# KiCad board d20_tri_r0.3_4x1.kicad_pcb (continued)
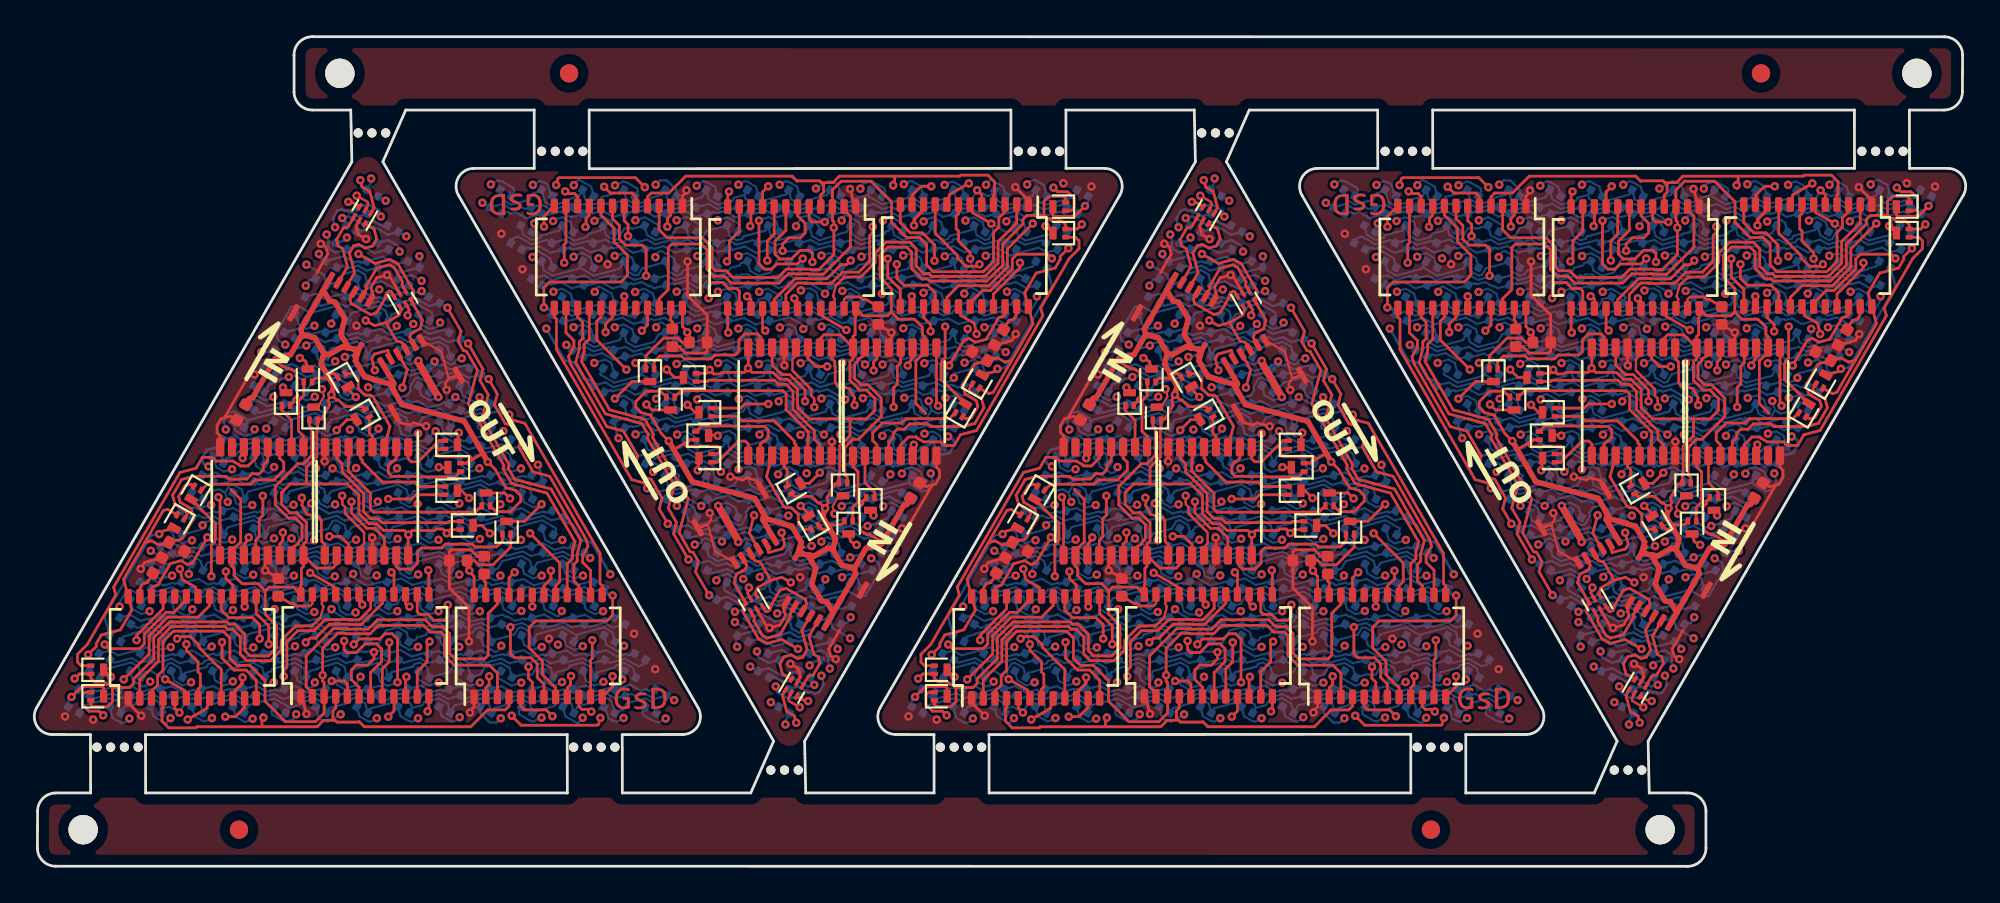
[diagram p0: board, top side]
## Placement (name value [footprint] x y rotation side) (continued)
D116#3  LED_ARGB  [led_rbag_1515]  90.54 30.41 240 bottom
D116#4  LED_ARGB  [led_rbag_1515]  60.79 14.85 60 bottom
D117  LED_ARGB  [led_rbag_1515]  45.66 28.46 240 bottom
D117#2  LED_ARGB  [led_rbag_1515]  13.67 16.79 60 bottom
D117#3  LED_ARGB  [led_rbag_1515]  91.66 28.46 240 bottom
D117#4  LED_ARGB  [led_rbag_1515]  59.67 16.79 60 bottom
D118  LED_ARGB  [led_rbag_1515]  46.79 26.52 240 bottom
D118#2  LED_ARGB  [led_rbag_1515]  12.55 18.74 60 bottom
D118#3  LED_ARGB  [led_rbag_1515]  92.79 26.52 240 bottom
D118#4  LED_ARGB  [led_rbag_1515]  58.55 18.74 60 bottom
D119  LED_ARGB  [led_rbag_1515]  47.91 24.57 240 bottom
D119#2  LED_ARGB  [led_rbag_1515]  11.42 20.69 60 bottom
D119#3  LED_ARGB  [led_rbag_1515]  93.91 24.57 240 bottom
D119#4  LED_ARGB  [led_rbag_1515]  57.42 20.69 60 bottom
D120  LED_ARGB  [led_rbag_1515]  49.03 22.62 240 bottom
D120#2  LED_ARGB  [led_rbag_1515]  10.3 22.63 60 bottom
D120#3  LED_ARGB  [led_rbag_1515]  95.03 22.62 240 bottom
D120#4  LED_ARGB  [led_rbag_1515]  56.3 22.63 60 bottom
D129  LED_ARGB  [led_rbag_1515]  43.41 36.24 240 bottom
D129#2  LED_ARGB  [led_rbag_1515]  15.92 9.01 60 bottom
D129#3  LED_ARGB  [led_rbag_1515]  61.92 9.01 60 bottom
D129#4  LED_ARGB  [led_rbag_1515]  89.41 36.24 240 bottom
D130  LED_ARGB  [led_rbag_1515]  44.54 34.3 240 bottom
D130#2  LED_ARGB  [led_rbag_1515]  14.79 10.96 60 bottom
D130#3  LED_ARGB  [led_rbag_1515]  60.79 10.96 60 bottom
D130#4  LED_ARGB  [led_rbag_1515]  90.54 34.3 240 bottom
D131  LED_ARGB  [led_rbag_1515]  45.66 32.35 240 bottom
D131#2  LED_ARGB  [led_rbag_1515]  13.67 12.9 60 bottom
D131#3  LED_ARGB  [led_rbag_1515]  59.67 12.9 60 bottom
D131#4  LED_ARGB  [led_rbag_1515]  91.66 32.35 240 bottom
D132  LED_ARGB  [led_rbag_1515]  46.78 30.41 240 bottom
D132#2  LED_ARGB  [led_rbag_1515]  12.55 14.85 60 bottom
D132#3  LED_ARGB  [led_rbag_1515]  58.55 14.85 60 bottom
D132#4  LED_ARGB  [led_rbag_1515]  92.78 30.41 240 bottom
D133  LED_ARGB  [led_rbag_1515]  47.91 28.46 240 bottom
D133#2  LED_ARGB  [led_rbag_1515]  11.42 16.79 60 bottom
D133#3  LED_ARGB  [led_rbag_1515]  57.42 16.79 60 bottom
D133#4  LED_ARGB  [led_rbag_1515]  93.91 28.46 240 bottom
D134  LED_ARGB  [led_rbag_1515]  49.03 26.51 240 bottom
D134#2  LED_ARGB  [led_rbag_1515]  10.3 18.74 60 bottom
D134#3  LED_ARGB  [led_rbag_1515]  56.3 18.74 60 bottom
D134#4  LED_ARGB  [led_rbag_1515]  95.03 26.51 240 bottom
D135  LED_ARGB  [led_rbag_1515]  50.16 24.57 240 bottom
D135#2  LED_ARGB  [led_rbag_1515]  9.18 20.69 60 bottom
D135#3  LED_ARGB  [led_rbag_1515]  96.16 24.57 240 bottom
D135#4  LED_ARGB  [led_rbag_1515]  55.18 20.69 60 bottom
D145  LED_ARGB  [led_rbag_1515]  45.66 36.24 240 bottom
D145#2  LED_ARGB  [led_rbag_1515]  13.67 9.01 60 bottom
D145#3  LED_ARGB  [led_rbag_1515]  91.66 36.24 240 bottom
D145#4  LED_ARGB  [led_rbag_1515]  59.67 9.01 60 bottom
D146  LED_ARGB  [led_rbag_1515]  46.78 34.3 240 bottom
D146#2  LED_ARGB  [led_rbag_1515]  12.55 10.96 60 bottom
D146#3  LED_ARGB  [led_rbag_1515]  92.78 34.3 240 bottom
D146#4  LED_ARGB  [led_rbag_1515]  58.55 10.96 60 bottom
D147  LED_ARGB  [led_rbag_1515]  47.91 32.35 240 bottom
D147#2  LED_ARGB  [led_rbag_1515]  11.42 12.9 60 bottom
D147#3  LED_ARGB  [led_rbag_1515]  93.91 32.35 240 bottom
D147#4  LED_ARGB  [led_rbag_1515]  57.42 12.9 60 bottom
D148  LED_ARGB  [led_rbag_1515]  49.03 30.41 240 bottom
D148#2  LED_ARGB  [led_rbag_1515]  10.3 14.85 60 bottom
D148#3  LED_ARGB  [led_rbag_1515]  95.03 30.41 240 bottom
D148#4  LED_ARGB  [led_rbag_1515]  56.3 14.85 60 bottom
D149  LED_ARGB  [led_rbag_1515]  50.15 28.46 240 bottom
D149#2  LED_ARGB  [led_rbag_1515]  9.18 16.8 60 bottom
D149#3  LED_ARGB  [led_rbag_1515]  96.15 28.46 240 bottom
D149#4  LED_ARGB  [led_rbag_1515]  55.18 16.8 60 bottom
D150  LED_ARGB  [led_rbag_1515]  51.28 26.51 240 bottom
D150#2  LED_ARGB  [led_rbag_1515]  8.05 18.74 60 bottom
D150#3  LED_ARGB  [led_rbag_1515]  97.28 26.51 240 bottom
D150#4  LED_ARGB  [led_rbag_1515]  54.05 18.74 60 bottom
D161  LED_ARGB  [led_rbag_1515]  47.91 36.24 240 bottom
D161#2  LED_ARGB  [led_rbag_1515]  11.42 9.01 60 bottom
D161#3  LED_ARGB  [led_rbag_1515]  57.42 9.01 60 bottom
D161#4  LED_ARGB  [led_rbag_1515]  93.91 36.24 240 bottom
D162  LED_ARGB  [led_rbag_1515]  49.03 34.3 240 bottom
D162#2  LED_ARGB  [led_rbag_1515]  10.3 10.96 60 bottom
D162#3  LED_ARGB  [led_rbag_1515]  56.3 10.96 60 bottom
D162#4  LED_ARGB  [led_rbag_1515]  95.03 34.3 240 bottom
D163  LED_ARGB  [led_rbag_1515]  50.15 32.35 240 bottom
D163#2  LED_ARGB  [led_rbag_1515]  9.18 12.9 60 bottom
D163#3  LED_ARGB  [led_rbag_1515]  96.15 32.35 240 bottom
D163#4  LED_ARGB  [led_rbag_1515]  55.18 12.9 60 bottom
D164  LED_ARGB  [led_rbag_1515]  51.28 30.4 240 bottom
D164#2  LED_ARGB  [led_rbag_1515]  8.05 14.85 60 bottom
D164#3  LED_ARGB  [led_rbag_1515]  54.05 14.85 60 bottom
D164#4  LED_ARGB  [led_rbag_1515]  97.28 30.4 240 bottom
D165  LED_ARGB  [led_rbag_1515]  52.4 28.46 240 bottom
D165#2  LED_ARGB  [led_rbag_1515]  6.93 16.8 60 bottom
D165#3  LED_ARGB  [led_rbag_1515]  52.93 16.8 60 bottom
D165#4  LED_ARGB  [led_rbag_1515]  98.4 28.46 240 bottom
D177  LED_ARGB  [led_rbag_1515]  50.15 36.24 240 bottom
D177#2  LED_ARGB  [led_rbag_1515]  9.18 9.01 60 bottom
D177#3  LED_ARGB  [led_rbag_1515]  96.15 36.24 240 bottom
D177#4  LED_ARGB  [led_rbag_1515]  55.18 9.01 60 bottom
D178  LED_ARGB  [led_rbag_1515]  51.28 34.3 240 bottom
D178#2  LED_ARGB  [led_rbag_1515]  8.05 10.96 60 bottom
D178#3  LED_ARGB  [led_rbag_1515]  97.28 34.3 240 bottom
D178#4  LED_ARGB  [led_rbag_1515]  54.05 10.96 60 bottom
D179  LED_ARGB  [led_rbag_1515]  52.4 32.35 240 bottom
D179#2  LED_ARGB  [led_rbag_1515]  6.93 12.91 60 bottom
D179#3  LED_ARGB  [led_rbag_1515]  98.4 32.35 240 bottom
D179#4  LED_ARGB  [led_rbag_1515]  52.93 12.91 60 bottom
D180  LED_ARGB  [led_rbag_1515]  53.52 30.4 240 bottom
D180#2  LED_ARGB  [led_rbag_1515]  5.81 14.85 60 bottom
D180#3  LED_ARGB  [led_rbag_1515]  51.81 14.85 60 bottom
D180#4  LED_ARGB  [led_rbag_1515]  99.52 30.4 240 bottom
D193  LED_ARGB  [led_rbag_1515]  52.4 36.24 240 bottom
D193#2  LED_ARGB  [led_rbag_1515]  6.93 9.01 60 bottom
D193#3  LED_ARGB  [led_rbag_1515]  52.93 9.01 60 bottom
D193#4  LED_ARGB  [led_rbag_1515]  98.4 36.24 240 bottom
D194  LED_ARGB  [led_rbag_1515]  53.52 34.3 240 bottom
D194#2  LED_ARGB  [led_rbag_1515]  5.81 10.96 60 bottom
D194#3  LED_ARGB  [led_rbag_1515]  51.81 10.96 60 bottom
D194#4  LED_ARGB  [led_rbag_1515]  99.52 34.3 240 bottom
D195  LED_ARGB  [led_rbag_1515]  54.65 32.35 240 bottom
D195#2  LED_ARGB  [led_rbag_1515]  4.68 12.91 60 bottom
D195#3  LED_ARGB  [led_rbag_1515]  50.68 12.91 60 bottom
D195#4  LED_ARGB  [led_rbag_1515]  100.65 32.35 240 bottom
D209  LED_ARGB  [led_rbag_1515]  54.65 36.24 240 bottom
D209#2  LED_ARGB  [led_rbag_1515]  4.68 9.01 60 bottom
D209#3  LED_ARGB  [led_rbag_1515]  50.68 9.01 60 bottom
D209#4  LED_ARGB  [led_rbag_1515]  100.65 36.24 240 bottom
D210  LED_ARGB  [led_rbag_1515]  55.77 34.29 240 bottom
D210#2  LED_ARGB  [led_rbag_1515]  3.56 10.96 60 bottom
D210#3  LED_ARGB  [led_rbag_1515]  49.56 10.96 60 bottom
D210#4  LED_ARGB  [led_rbag_1515]  101.77 34.29 240 bottom
D225  LED_ARGB  [led_rbag_1515]  56.89 36.24 240 bottom
D225#2  LED_ARGB  [led_rbag_1515]  2.44 9.02 60 bottom
D225#3  LED_ARGB  [led_rbag_1515]  48.44 9.02 60 bottom
D225#4  LED_ARGB  [led_rbag_1515]  102.89 36.24 240 bottom
G***  LOGO  [gsd_logo_small]  26.27 36.18 180 top
G***#2  LOGO  [in_out]  39.96 19.4 0 top
G***#3  LOGO  [in_out]  19.38 25.85 180 top
G***#4  LOGO  [gsd_logo_small]  33.07 9.07 0 top
G***#5  LOGO  [in_out]  65.38 25.85 180 top
G***#6  LOGO  [in_out]  85.96 19.4 0 top
G***#7  LOGO  [gsd_logo_small]  72.27 36.18 180 top
G***#8  LOGO  [gsd_logo_small]  79.07 9.07 0 top
J1  input  [5034800600]  42.11 13.79 150 top
J1#2  input  [5034800600]  17.22 31.46 330 top
J1#3  input  [5034800600]  63.22 31.46 330 top
J1#4  input  [5034800600]  88.11 13.79 150 top
J2  output  [5034800600]  39.28 17.19 210 top
J2#2  output  [5034800600]  20.06 28.06 30 top
J2#3  output  [5034800600]  66.06 28.06 30 top
J2#4  output  [5034800600]  85.28 17.19 210 top
NOREF  -  [MountingHole_2.1mm#2]  16.66 43.25 0 top
NOREF#2  -  [MountingHole_2.1mm#2]  102.66 43.25 0 top
NOREF#3  -  [MountingHole_2.1mm#2]  2.66 2 180 top
NOREF#4  -  [MountingHole_2.1mm#2]  88.66 2 180 top
Q1  LP0404N3T5G  [SOT-883]  33.58 26.79 270 top
Q1#2  LP0404N3T5G  [SOT-883]  25.76 18.46 90 top
Q1#3  LP0404N3T5G  [SOT-883]  71.76 18.46 90 top
Q1#4  LP0404N3T5G  [SOT-883]  79.58 26.79 270 top
Q2  LP0404N3T5G  [SOT-883]  36.6 22.27 180 top
Q2#2  LP0404N3T5G  [SOT-883]  22.73 22.99 0 top
Q2#3  LP0404N3T5G  [SOT-883]  68.73 22.99 0 top
Q2#4  LP0404N3T5G  [SOT-883]  82.6 22.27 180 top
Q3  LP0404N3T5G  [SOT-883]  36.43 23.49 0 top
Q3#2  LP0404N3T5G  [SOT-883]  22.91 21.76 180 top
Q3#3  LP0404N3T5G  [SOT-883]  68.91 21.76 180 top
Q3#4  LP0404N3T5G  [SOT-883]  82.43 23.49 0 top
Q4  LP0404N3T5G  [SOT-883]  42.4 18.79 120 top
Q4#2  LP0404N3T5G  [SOT-883]  16.93 26.46 300 top
Q4#3  LP0404N3T5G  [SOT-883]  62.93 26.46 300 top
Q4#4  LP0404N3T5G  [SOT-883]  88.4 18.79 120 top
Q5  LP0404N3T5G  [SOT-883]  41.48 20.72 30 top
Q5#2  LP0404N3T5G  [SOT-883]  17.86 24.54 210 top
Q5#3  LP0404N3T5G  [SOT-883]  63.86 24.54 210 top
Q5#4  LP0404N3T5G  [SOT-883]  87.48 20.72 30 top
Q6  LP0404N3T5G  [SOT-883]  36.6 24.77 180 top
Q6#2  LP0404N3T5G  [SOT-883]  22.73 20.49 0 top
Q6#3  LP0404N3T5G  [SOT-883]  68.73 20.49 0 top
Q6#4  LP0404N3T5G  [SOT-883]  82.6 24.77 180 top
Q7  LP0404N3T5G  [SOT-883]  34.7 25.24 270 top
Q7#2  LP0404N3T5G  [SOT-883]  24.63 20.01 90 top
Q7#3  LP0404N3T5G  [SOT-883]  70.63 20.01 90 top
Q7#4  LP0404N3T5G  [SOT-883]  80.7 25.24 270 top
Q8  LP0404N3T5G  [SOT-883]  35.75 26.67 180 top
Q8#2  LP0404N3T5G  [SOT-883]  23.58 18.59 0 top
Q8#3  LP0404N3T5G  [SOT-883]  69.58 18.59 0 top
Q8#4  LP0404N3T5G  [SOT-883]  81.75 26.67 180 top
Q9  LP0404N3T5G  [SOT-883]  44.11 20.56 270 top
Q9#2  LP0404N3T5G  [SOT-883]  15.23 24.69 90 top
Q9#3  LP0404N3T5G  [SOT-883]  90.11 20.56 270 top
Q9#4  LP0404N3T5G  [SOT-883]  61.23 24.69 90 top
Q10  LP0404N3T5G  [SOT-883]  44.41 18.48 270 top
Q10#2  LP0404N3T5G  [SOT-883]  14.92 26.77 90 top
Q10#3  LP0404N3T5G  [SOT-883]  90.41 18.48 270 top
Q10#4  LP0404N3T5G  [SOT-883]  60.92 26.77 90 top
Q11  LP0404N3T5G  [SOT-883]  45.6 19.77 270 top
Q11#2  LP0404N3T5G  [SOT-883]  13.73 25.49 90 top
Q11#3  LP0404N3T5G  [SOT-883]  91.6 19.77 270 top
Q11#4  LP0404N3T5G  [SOT-883]  59.73 25.49 90 top
Q12  LP0404N3T5G  [SOT-883]  50.6 24.93 60 top
Q12#2  LP0404N3T5G  [SOT-883]  8.73 20.32 240 top
Q12#3  LP0404N3T5G  [SOT-883]  96.6 24.93 60 top
Q12#4  LP0404N3T5G  [SOT-883]  54.73 20.32 240 top
Q13  LP0404N3T5G  [SOT-883]  51.52 26.5 60 top
Q13#2  LP0404N3T5G  [SOT-883]  7.81 18.76 240 top
Q13#3  LP0404N3T5G  [SOT-883]  53.81 18.76 240 top
Q13#4  LP0404N3T5G  [SOT-883]  97.52 26.5 60 top
Q14  LP0404N3T5G  [SOT-883]  55.9 34.54 180 top
Q14#2  LP0404N3T5G  [SOT-883]  3.43 10.72 0 top
Q14#3  LP0404N3T5G  [SOT-883]  101.9 34.54 180 top
Q14#4  LP0404N3T5G  [SOT-883]  49.43 10.72 0 top
Q15  LP0404N3T5G  [SOT-883]  55.9 35.98 180 top
Q15#2  LP0404N3T5G  [SOT-883]  3.43 9.27 0 top
Q15#3  LP0404N3T5G  [SOT-883]  101.9 35.98 180 top
Q15#4  LP0404N3T5G  [SOT-883]  49.43 9.27 0 top
R1  2.2k  [R_0402_1005Metric]  34.79 28.83 270 top
R1#2  2.2k  [R_0402_1005Metric]  24.54 16.43 90 top
R1#3  2.2k  [R_0402_1005Metric]  70.54 16.43 90 top
R1#4  2.2k  [R_0402_1005Metric]  80.79 28.83 270 top
R2  7.5k  [R_0402_1005Metric]  46.03 30.04 270 top
R2#2  7.5k  [R_0402_1005Metric]  13.31 15.21 90 top
R2#3  7.5k  [R_0402_1005Metric]  59.31 15.21 90 top
R2#4  7.5k  [R_0402_1005Metric]  92.03 30.04 270 top
R3  4.12k  [R_0402_1005Metric]  52.61 28.84 240 top
R3#2  4.12k  [R_0402_1005Metric]  6.72 16.41 60 top
R3#3  4.12k  [R_0402_1005Metric]  52.72 16.41 60 top
R3#4  4.12k  [R_0402_1005Metric]  98.61 28.84 240 top
REF**  -  [Fiducial_1mm_Mask2mm]  11.16 2 180 top
REF**#2  -  [Fiducial_1mm_Mask2mm]  76.16 2 180 top
REF**#3  -  [MountingHole_2.1mm]  101.91 39 0 top
REF**#4  -  [MountingHole_2.1mm]  101.16 39 0 top
REF**#5  -  [MountingHole_2.1mm]  100.41 39 0 top
REF**#6  -  [MountingHole_2.1mm]  99.66 39 0 top
REF**#7  -  [MountingHole_2.1mm]  75.91 39 0 top
REF**#8  -  [MountingHole_2.1mm]  75.16 39 0 top
REF**#9  -  [MountingHole_2.1mm]  74.41 39 0 top
REF**#10  -  [MountingHole_2.1mm]  73.66 39 0 top
REF**#11  -  [MountingHole_2.1mm]  65.16 40 0 top
REF**#12  -  [MountingHole_2.1mm]  64.41 40 0 top
REF**#13  -  [MountingHole_2.1mm]  63.66 40 0 top
REF**#14  -  [MountingHole_2.1mm]  86.16 5.25 180 top
REF**#15  -  [MountingHole_2.1mm]  86.91 5.25 180 top
REF**#16  -  [MountingHole_2.1mm]  87.66 5.25 180 top
REF**#17  -  [MountingHole_2.1mm]  40.16 5.25 180 top
REF**#18  -  [MountingHole_2.1mm]  40.91 5.25 180 top
REF**#19  -  [MountingHole_2.1mm]  41.66 5.25 180 top
REF**#20  -  [Fiducial_1mm_Mask2mm]  29.16 43.25 0 top
REF**#21  -  [Fiducial_1mm_Mask2mm]  94.16 43.25 0 top
REF**#22  -  [MountingHole_2.1mm]  17.66 40 0 top
REF**#23  -  [MountingHole_2.1mm]  18.41 40 0 top
REF**#24  -  [MountingHole_2.1mm]  19.16 40 0 top
REF**#25  -  [MountingHole_2.1mm]  27.66 39 0 top
REF**#26  -  [MountingHole_2.1mm]  28.41 39 0 top
REF**#27  -  [MountingHole_2.1mm]  29.16 39 0 top
REF**#28  -  [MountingHole_2.1mm]  29.91 39 0 top
REF**#29  -  [MountingHole_2.1mm]  53.66 39 0 top
REF**#30  -  [MountingHole_2.1mm]  54.41 39 0 top
REF**#31  -  [MountingHole_2.1mm]  55.16 39 0 top
REF**#32  -  [MountingHole_2.1mm]  55.91 39 0 top
REF**#33  -  [MountingHole_2.1mm]  30.91 6.5 0 top
REF**#34  -  [MountingHole_2.1mm]  3.41 6.5 0 top
REF**#35  -  [MountingHole_2.1mm]  29.41 6.5 0 top
REF**#36  -  [MountingHole_2.1mm]  31.66 6.5 0 top
REF**#37  -  [MountingHole_2.1mm]  30.16 6.5 0 top
REF**#38  -  [MountingHole_2.1mm]  4.16 6.5 0 top
REF**#39  -  [MountingHole_2.1mm]  4.91 6.5 0 top
REF**#40  -  [MountingHole_2.1mm]  5.66 6.5 0 top
REF**#41  -  [MountingHole_2.1mm]  49.41 6.5 0 top
REF**#42  -  [MountingHole_2.1mm]  76.16 6.5 0 top
REF**#43  -  [MountingHole_2.1mm]  77.66 6.5 0 top
REF**#44  -  [MountingHole_2.1mm]  76.91 6.5 0 top
REF**#45  -  [MountingHole_2.1mm]  51.66 6.5 0 top
REF**#46  -  [MountingHole_2.1mm]  50.91 6.5 0 top
REF**#47  -  [MountingHole_2.1mm]  75.41 6.5 0 top
REF**#48  -  [MountingHole_2.1mm]  50.16 6.5 0 top
REF**#49  -  [Fiducial_1mm_Mask2mm]  29.16 43.25 0 bottom
REF**#50  -  [Fiducial_1mm_Mask2mm]  94.16 43.25 0 bottom
REF**#51  -  [Fiducial_1mm_Mask2mm]  76.16 2 180 bottom
REF**#52  -  [Fiducial_1mm_Mask2mm]  11.16 2 180 bottom
U1  TLC59025  [SSOP-24_slim]  31.85 33.24 270 top
U1#2  TLC59025  [SSOP-24_slim]  27.48 12.02 90 top
U1#3  TLC59025  [SSOP-24_slim]  73.48 12.02 90 top
U1#4  TLC59025  [SSOP-24_slim]  77.85 33.24 270 top
U2  TLC59025  [SSOP-24_slim]  41.3 33.21 270 top
U2#2  TLC59025  [SSOP-24_slim]  18.03 12.05 90 top
U2#3  TLC59025  [SSOP-24_slim]  64.03 12.05 90 top
U2#4  TLC59025  [SSOP-24_slim]  87.3 33.21 270 top
U3  TLC59025  [SSOP-24_slim]  50.72 33.31 270 top
U3#2  TLC59025  [SSOP-24_slim]  8.61 11.94 90 top
U3#3  TLC59025  [SSOP-24_slim]  96.72 33.31 270 top
U3#4  TLC59025  [SSOP-24_slim]  54.61 11.94 90 top
U4  74HC595  [TSSOP-16_slim]  41.21 25.35 90 top
U4#2  74HC595  [TSSOP-16_slim]  18.12 19.91 270 top
U4#3  74HC595  [TSSOP-16_slim]  87.21 25.35 90 top
U4#4  74HC595  [TSSOP-16_slim]  64.12 19.91 270 top
U5  74HC595  [TSSOP-16_slim]  46.93 25.34 90 top
U5#2  74HC595  [TSSOP-16_slim]  12.41 19.91 270 top
U5#3  74HC595  [TSSOP-16_slim]  58.41 19.91 270 top
U5#4  74HC595  [TSSOP-16_slim]  92.93 25.34 90 top
U6  NC7WZ17  [UDFN-6_1x1mm_P0.35mm]  41.44 9.74 240 top
U6#2  NC7WZ17  [UDFN-6_1x1mm_P0.35mm]  17.89 35.51 60 top
U6#3  NC7WZ17  [UDFN-6_1x1mm_P0.35mm]  63.89 35.51 60 top
U6#4  NC7WZ17  [UDFN-6_1x1mm_P0.35mm]  87.44 9.74 240 top
U7  NC7WZ17  [UDFN-6_1x1mm_P0.35mm]  39.24 14.3 120 top
U7#2  NC7WZ17  [UDFN-6_1x1mm_P0.35mm]  20.09 30.96 300 top
U7#3  NC7WZ17  [UDFN-6_1x1mm_P0.35mm]  85.24 14.3 120 top
U7#4  NC7WZ17  [UDFN-6_1x1mm_P0.35mm]  66.09 30.96 300 top

## Footprints (pads in the part's own frame, mm; a bottom-side part is the same pattern mirrored in y, then rotated)
5034800600
  rrect 0.3x0.7 smd: 1(-1.25,0) 2(-0.75,0) 3(-0.25,0) 4(0.25,0) 5(0.75,0) 6(1.25,0)
  rrect 0.3x1 smd: SH(-2.04,-2.65) SH(2.04,-2.65)
C_0402_1005Metric
  rrect 0.59x0.64 smd: 1(-0.485,0) 2(0.485,0)
Fiducial_1mm_Mask2mm
  round 1 smd: (0,0)
led_rbag_1515
  rrect 0.443x0.406 smd: 1(-0.551,-0.349) 2(-0.551,0.349) 3(0.551,-0.349) 4(0.551,0.349)
MountingHole_2.1mm
  round 0.5 hole 0.5 unplated: (0,0)
MountingHole_2.1mm#2
  round 1.6 hole 1.6 unplated: (0,0)
R_0402_1005Metric
  rrect 0.59x0.64 smd: 1(-0.485,0) 2(0.485,0)
SOT-883
  rrect 0.4x0.25 smd: 1(-0.35,0.225) 2(-0.35,-0.225)
  rrect 0.4x0.7 smd: 3(0.35,0)
SSOP-24_slim
  rrect 0.8x0.4 smd: 1(-2.78,3.493) 2(-2.78,2.857) 3(-2.78,2.223) 4(-2.78,1.587) 5(-2.78,0.953) 6(-2.78,0.318) 7(-2.78,-0.318) 8(-2.78,-0.953) 9(-2.78,-1.587) 10(-2.78,-2.223) 11(-2.78,-2.857) 12(-2.78,-3.493) 13(2.78,-3.493) 14(2.78,-2.857) 15(2.78,-2.223) 16(2.78,-1.587) 17(2.78,-0.953) 18(2.78,-0.318) 19(2.78,0.318) 20(2.78,0.953) 21(2.78,1.587) 22(2.78,2.223) 23(2.78,2.857) 24(2.78,3.493)
TSSOP-16_slim
  rrect 1x0.45 smd: 1(-2.95,2.275) 2(-2.95,1.625) 3(-2.95,0.975) 4(-2.95,0.325) 5(-2.95,-0.325) 6(-2.95,-0.975) 7(-2.95,-1.625) 8(-2.95,-2.275) 9(2.95,-2.275) 10(2.95,-1.625) 11(2.95,-0.975) 12(2.95,-0.325) 13(2.95,0.325) 14(2.95,0.975) 15(2.95,1.625) 16(2.95,2.275)
UDFN-6_1x1mm_P0.35mm
  rect 0.45x0.19 smd: 1(-0.305,0.35)
  rect 0.4x0.19 smd: 2(-0.33,0) 3(-0.33,-0.35) 4(0.33,-0.35) 5(0.33,0) 6(0.33,0.35)

## Nets
gnd: C1.2 C1#2.2 C1#3.2 C1#4.2 C2.2 C2#2.2 C2#3.2 C2#4.2 C3.2 C3#2.2 C3#3.2 C3#4.2 J1.6 J1#2.6 J1#3.6 J1#4.6 J2.6 J2.SH J2#2.6 J2#2.SH J2#3.6 J2#3.SH J2#4.6 J2#4.SH R1.2 R1#2.2 R1#3.2 R1#4.2 R2.2 R2#2.2 R2#3.2 R2#4.2 R3.2 R3#2.2 R3#3.2 R3#4.2 U1.1 U1#2.1 U1#3.1 U1#4.1 U2.1 U2#2.1 U2#3.1 U2#4.1 U3.1 U3#2.1 U3#3.1 U3#4.1 U4.8 U4.13 U4#2.8 U4#2.13 U4#3.8 U4#3.13 U4#4.8 U4#4.13 U5.8 U5.13 U5#2.8 U5#2.13 U5#3.8 U5#3.13 U5#4.8 U5#4.13 U6.2 U6#2.2 U6#3.2 U6#4.2 U7.2 U7#2.2 U7#3.2 U7#4.2
gnd|vcc: J1.SH J1#2.SH J1#3.SH J1#4.SH
vcc: C1.1 C1#2.1 C1#3.1 C1#4.1 C2.1 C2#2.1 C2#3.1 C2#4.1 C3.1 C3#2.1 C3#3.1 C3#4.1 J1.1 J1#2.1 J1#3.1 J1#4.1 J2.1 J2#2.1 J2#3.1 J2#4.1 Q1.2 Q1#2.2 Q1#3.2 Q1#4.2 Q2.2 Q2#2.2 Q2#3.2 Q2#4.2 Q3.2 Q3#2.2 Q3#3.2 Q3#4.2 Q4.2 Q4#2.2 Q4#3.2 Q4#4.2 Q5.2 Q5#2.2 Q5#3.2 Q5#4.2 Q6.2 Q6#2.2 Q6#3.2 Q6#4.2 Q7.2 Q7#2.2 Q7#3.2 Q7#4.2 Q8.2 Q8#2.2 Q8#3.2 Q8#4.2 Q9.2 Q9#2.2 Q9#3.2 Q9#4.2 Q10.2 Q10#2.2 Q10#3.2 Q10#4.2 Q11.2 Q11#2.2 Q11#3.2 Q11#4.2 Q12.2 Q12#2.2 Q12#3.2 Q12#4.2 Q13.2 Q13#2.2 Q13#3.2 Q13#4.2 Q14.2 Q14#2.2 Q14#3.2 Q14#4.2 Q15.2 Q15#2.2 Q15#3.2 Q15#4.2 U1.24 U1#2.24 U1#3.24 U1#4.24 U2.24 U2#2.24 U2#3.24 U2#4.24 U3.24 U3#2.24 U3#3.24 U3#4.24 U4.10 U4.16 U4#2.10 U4#2.16 U4#3.10 U4#3.16 U4#4.10 U4#4.16 U5.10 U5.16 U5#2.10 U5#2.16 U5#3.10 U5#3.16 U5#4.10 U5#4.16 U6.5 U6#2.5 U6#3.5 U6#4.5 U7.5 U7#2.5 U7#3.5 U7#4.5
blank: J2.3 J2#2.3 J2#3.3 J2#4.3 U1.21 U1#2.21 U1#3.21 U1#4.21 U2.21 U2#2.21 U2#3.21 U2#4.21 U3.21 U3#2.21 U3#3.21 U3#4.21 U6.4 U6#2.4 U6#3.4 U6#4.4
blank_i: J1.3 J1#2.3 J1#3.3 J1#4.3 U6.3 U6#2.3 U6#3.3 U6#4.3
colb_0: D1.2 D1#2.2 D1#3.2 D1#4.2 D17.2 D17#2.2 D17#3.2 D17#4.2 D33.2 D33#2.2 D33#3.2 D33#4.2 D49.2 D49#2.2 D49#3.2 D49#4.2 D65.2 D65#2.2 D65#3.2 D65#4.2 D81.2 D81#2.2 D81#3.2 D81#4.2 D97.2 D97#2.2 D97#3.2 D97#4.2 D113.2 D113#2.2 D113#3.2 D113#4.2 D129.2 D129#2.2 D129#3.2 D129#4.2 D145.2 D145#2.2 D145#3.2 D145#4.2 D161.2 D161#2.2 D161#3.2 D161#4.2 D177.2 D177#2.2 D177#3.2 D177#4.2 D193.2 D193#2.2 D193#3.2 D193#4.2 D209.2 D209#2.2 D209#3.2 D209#4.2 D225.2 D225#2.2 D225#3.2 D225#4.2 U3.5 U3#2.5 U3#3.5 U3#4.5
colb_1: D2.2 D2#2.2 D2#3.2 D2#4.2 D18.2 D18#2.2 D18#3.2 D18#4.2 D34.2 D34#2.2 D34#3.2 D34#4.2 D50.2 D50#2.2 D50#3.2 D50#4.2 D66.2 D66#2.2 D66#3.2 D66#4.2 D82.2 D82#2.2 D82#3.2 D82#4.2 D98.2 D98#2.2 D98#3.2 D98#4.2 D114.2 D114#2.2 D114#3.2 D114#4.2 D130.2 D130#2.2 D130#3.2 D130#4.2 D146.2 D146#2.2 D146#3.2 D146#4.2 D162.2 D162#2.2 D162#3.2 D162#4.2 D178.2 D178#2.2 D178#3.2 D178#4.2 D194.2 D194#2.2 D194#3.2 D194#4.2 D210.2 D210#2.2 D210#3.2 D210#4.2 U3.6 U3#2.6 U3#3.6 U3#4.6
colb_2: D3.2 D3#2.2 D3#3.2 D3#4.2 D19.2 D19#2.2 D19#3.2 D19#4.2 D35.2 D35#2.2 D35#3.2 D35#4.2 D51.2 D51#2.2 D51#3.2 D51#4.2 D67.2 D67#2.2 D67#3.2 D67#4.2 D83.2 D83#2.2 D83#3.2 D83#4.2 D99.2 D99#2.2 D99#3.2 D99#4.2 D115.2 D115#2.2 D115#3.2 D115#4.2 D131.2 D131#2.2 D131#3.2 D131#4.2 D147.2 D147#2.2 D147#3.2 D147#4.2 D163.2 D163#2.2 D163#3.2 D163#4.2 D179.2 D179#2.2 D179#3.2 D179#4.2 D195.2 D195#2.2 D195#3.2 D195#4.2 U3.7 U3#2.7 U3#3.7 U3#4.7
colb_3: D4.2 D4#2.2 D4#3.2 D4#4.2 D20.2 D20#2.2 D20#3.2 D20#4.2 D36.2 D36#2.2 D36#3.2 D36#4.2 D52.2 D52#2.2 D52#3.2 D52#4.2 D68.2 D68#2.2 D68#3.2 D68#4.2 D84.2 D84#2.2 D84#3.2 D84#4.2 D100.2 D100#2.2 D100#3.2 D100#4.2 D116.2 D116#2.2 D116#3.2 D116#4.2 D132.2 D132#2.2 D132#3.2 D132#4.2 D148.2 D148#2.2 D148#3.2 D148#4.2 D164.2 D164#2.2 D164#3.2 D164#4.2 D180.2 D180#2.2 D180#3.2 D180#4.2 U3.8 U3#2.8 U3#3.8 U3#4.8
colb_4: D5.2 D5#2.2 D5#3.2 D5#4.2 D21.2 D21#2.2 D21#3.2 D21#4.2 D37.2 D37#2.2 D37#3.2 D37#4.2 D53.2 D53#2.2 D53#3.2 D53#4.2 D69.2 D69#2.2 D69#3.2 D69#4.2 D85.2 D85#2.2 D85#3.2 D85#4.2 D101.2 D101#2.2 D101#3.2 D101#4.2 D117.2 D117#2.2 D117#3.2 D117#4.2 D133.2 D133#2.2 D133#3.2 D133#4.2 D149.2 D149#2.2 D149#3.2 D149#4.2 D165.2 D165#2.2 D165#3.2 D165#4.2 U3.9 U3#2.9 U3#3.9 U3#4.9
colb_5: D6.2 D6#2.2 D6#3.2 D6#4.2 D22.2 D22#2.2 D22#3.2 D22#4.2 D38.2 D38#2.2 D38#3.2 D38#4.2 D54.2 D54#2.2 D54#3.2 D54#4.2 D70.2 D70#2.2 D70#3.2 D70#4.2 D86.2 D86#2.2 D86#3.2 D86#4.2 D102.2 D102#2.2 D102#3.2 D102#4.2 D118.2 D118#2.2 D118#3.2 D118#4.2 D134.2 D134#2.2 D134#3.2 D134#4.2 D150.2 D150#2.2 D150#3.2 D150#4.2 U3.10 U3#2.10 U3#3.10 U3#4.10
colb_6: D7.2 D7#2.2 D7#3.2 D7#4.2 D23.2 D23#2.2 D23#3.2 D23#4.2 D39.2 D39#2.2 D39#3.2 D39#4.2 D55.2 D55#2.2 D55#3.2 D55#4.2 D71.2 D71#2.2 D71#3.2 D71#4.2 D87.2 D87#2.2 D87#3.2 D87#4.2 D103.2 D103#2.2 D103#3.2 D103#4.2 D119.2 D119#2.2 D119#3.2 D119#4.2 D135.2 D135#2.2 D135#3.2 D135#4.2 U3.11 U3#2.11 U3#3.11 U3#4.11
colb_7: D8.2 D8#2.2 D8#3.2 D8#4.2 D24.2 D24#2.2 D24#3.2 D24#4.2 D40.2 D40#2.2 D40#3.2 D40#4.2 D56.2 D56#2.2 D56#3.2 D56#4.2 D72.2 D72#2.2 D72#3.2 D72#4.2 D88.2 D88#2.2 D88#3.2 D88#4.2 D104.2 D104#2.2 D104#3.2 D104#4.2 D120.2 D120#2.2 D120#3.2 D120#4.2 U3.12 U3#2.12 U3#3.12 U3#4.12
colb_8: D9.2 D9#2.2 D9#3.2 D9#4.2 D25.2 D25#2.2 D25#3.2 D25#4.2 D41.2 D41#2.2 D41#3.2 D41#4.2 D57.2 D57#2.2 D57#3.2 D57#4.2 D73.2 D73#2.2 D73#3.2 D73#4.2 D89.2 D89#2.2 D89#3.2 D89#4.2 D105.2 D105#2.2 D105#3.2 D105#4.2 U3.13 U3#2.13 U3#3.13 U3#4.13
colb_9: D10.2 D10#2.2 D10#3.2 D10#4.2 D26.2 D26#2.2 D26#3.2 D26#4.2 D42.2 D42#2.2 D42#3.2 D42#4.2 D58.2 D58#2.2 D58#3.2 D58#4.2 D74.2 D74#2.2 D74#3.2 D74#4.2 D90.2 D90#2.2 D90#3.2 D90#4.2 U3.14 U3#2.14 U3#3.14 U3#4.14
colb_10: D11.2 D11#2.2 D11#3.2 D11#4.2 D27.2 D27#2.2 D27#3.2 D27#4.2 D43.2 D43#2.2 D43#3.2 D43#4.2 D59.2 D59#2.2 D59#3.2 D59#4.2 D75.2 D75#2.2 D75#3.2 D75#4.2 U3.15 U3#2.15 U3#3.15 U3#4.15
colb_11: D12.2 D12#2.2 D12#3.2 D12#4.2 D28.2 D28#2.2 D28#3.2 D28#4.2 D44.2 D44#2.2 D44#3.2 D44#4.2 D60.2 D60#2.2 D60#3.2 D60#4.2 U3.16 U3#2.16 U3#3.16 U3#4.16
colb_12: D13.2 D13#2.2 D13#3.2 D13#4.2 D29.2 D29#2.2 D29#3.2 D29#4.2 D45.2 D45#2.2 D45#3.2 D45#4.2 U3.17 U3#2.17 U3#3.17 U3#4.17
colb_13: D14.2 D14#2.2 D14#3.2 D14#4.2 D30.2 D30#2.2 D30#3.2 D30#4.2 U3.18 U3#2.18 U3#3.18 U3#4.18
colb_14: D15.2 D15#2.2 D15#3.2 D15#4.2 U3.19 U3#2.19 U3#3.19 U3#4.19
colb_15: U3.20 U3#2.20 U3#3.20 U3#4.20
colg_0: D1.3 D1#2.3 D1#3.3 D1#4.3 D17.3 D17#2.3 D17#3.3 D17#4.3 D33.3 D33#2.3 D33#3.3 D33#4.3 D49.3 D49#2.3 D49#3.3 D49#4.3 D65.3 D65#2.3 D65#3.3 D65#4.3 D81.3 D81#2.3 D81#3.3 D81#4.3 D97.3 D97#2.3 D97#3.3 D97#4.3 D113.3 D113#2.3 D113#3.3 D113#4.3 D129.3 D129#2.3 D129#3.3 D129#4.3 D145.3 D145#2.3 D145#3.3 D145#4.3 D161.3 D161#2.3 D161#3.3 D161#4.3 D177.3 D177#2.3 D177#3.3 D177#4.3 D193.3 D193#2.3 D193#3.3 D193#4.3 D209.3 D209#2.3 D209#3.3 D209#4.3 D225.3 D225#2.3 D225#3.3 D225#4.3 U2.5 U2#2.5 U2#3.5 U2#4.5
colg_1: D2.3 D2#2.3 D2#3.3 D2#4.3 D18.3 D18#2.3 D18#3.3 D18#4.3 D34.3 D34#2.3 D34#3.3 D34#4.3 D50.3 D50#2.3 D50#3.3 D50#4.3 D66.3 D66#2.3 D66#3.3 D66#4.3 D82.3 D82#2.3 D82#3.3 D82#4.3 D98.3 D98#2.3 D98#3.3 D98#4.3 D114.3 D114#2.3 D114#3.3 D114#4.3 D130.3 D130#2.3 D130#3.3 D130#4.3 D146.3 D146#2.3 D146#3.3 D146#4.3 D162.3 D162#2.3 D162#3.3 D162#4.3 D178.3 D178#2.3 D178#3.3 D178#4.3 D194.3 D194#2.3 D194#3.3 D194#4.3 D210.3 D210#2.3 D210#3.3 D210#4.3 U2.6 U2#2.6 U2#3.6 U2#4.6
colg_2: D3.3 D3#2.3 D3#3.3 D3#4.3 D19.3 D19#2.3 D19#3.3 D19#4.3 D35.3 D35#2.3 D35#3.3 D35#4.3 D51.3 D51#2.3 D51#3.3 D51#4.3 D67.3 D67#2.3 D67#3.3 D67#4.3 D83.3 D83#2.3 D83#3.3 D83#4.3 D99.3 D99#2.3 D99#3.3 D99#4.3 D115.3 D115#2.3 D115#3.3 D115#4.3 D131.3 D131#2.3 D131#3.3 D131#4.3 D147.3 D147#2.3 D147#3.3 D147#4.3 D163.3 D163#2.3 D163#3.3 D163#4.3 D179.3 D179#2.3 D179#3.3 D179#4.3 D195.3 D195#2.3 D195#3.3 D195#4.3 U2.7 U2#2.7 U2#3.7 U2#4.7
colg_3: D4.3 D4#2.3 D4#3.3 D4#4.3 D20.3 D20#2.3 D20#3.3 D20#4.3 D36.3 D36#2.3 D36#3.3 D36#4.3 D52.3 D52#2.3 D52#3.3 D52#4.3 D68.3 D68#2.3 D68#3.3 D68#4.3 D84.3 D84#2.3 D84#3.3 D84#4.3 D100.3 D100#2.3 D100#3.3 D100#4.3 D116.3 D116#2.3 D116#3.3 D116#4.3 D132.3 D132#2.3 D132#3.3 D132#4.3 D148.3 D148#2.3 D148#3.3 D148#4.3 D164.3 D164#2.3 D164#3.3 D164#4.3 D180.3 D180#2.3 D180#3.3 D180#4.3 U2.8 U2#2.8 U2#3.8 U2#4.8
colg_4: D5.3 D5#2.3 D5#3.3 D5#4.3 D21.3 D21#2.3 D21#3.3 D21#4.3 D37.3 D37#2.3 D37#3.3 D37#4.3 D53.3 D53#2.3 D53#3.3 D53#4.3 D69.3 D69#2.3 D69#3.3 D69#4.3 D85.3 D85#2.3 D85#3.3 D85#4.3 D101.3 D101#2.3 D101#3.3 D101#4.3 D117.3 D117#2.3 D117#3.3 D117#4.3 D133.3 D133#2.3 D133#3.3 D133#4.3 D149.3 D149#2.3 D149#3.3 D149#4.3 D165.3 D165#2.3 D165#3.3 D165#4.3 U2.9 U2#2.9 U2#3.9 U2#4.9
colg_5: D6.3 D6#2.3 D6#3.3 D6#4.3 D22.3 D22#2.3 D22#3.3 D22#4.3 D38.3 D38#2.3 D38#3.3 D38#4.3 D54.3 D54#2.3 D54#3.3 D54#4.3 D70.3 D70#2.3 D70#3.3 D70#4.3 D86.3 D86#2.3 D86#3.3 D86#4.3 D102.3 D102#2.3 D102#3.3 D102#4.3 D118.3 D118#2.3 D118#3.3 D118#4.3 D134.3 D134#2.3 D134#3.3 D134#4.3 D150.3 D150#2.3 D150#3.3 D150#4.3 U2.10 U2#2.10 U2#3.10 U2#4.10
colg_6: D7.3 D7#2.3 D7#3.3 D7#4.3 D23.3 D23#2.3 D23#3.3 D23#4.3 D39.3 D39#2.3 D39#3.3 D39#4.3 D55.3 D55#2.3 D55#3.3 D55#4.3 D71.3 D71#2.3 D71#3.3 D71#4.3 D87.3 D87#2.3 D87#3.3 D87#4.3 D103.3 D103#2.3 D103#3.3 D103#4.3 D119.3 D119#2.3 D119#3.3 D119#4.3 D135.3 D135#2.3 D135#3.3 D135#4.3 U2.11 U2#2.11 U2#3.11 U2#4.11
colg_7: D8.3 D8#2.3 D8#3.3 D8#4.3 D24.3 D24#2.3 D24#3.3 D24#4.3 D40.3 D40#2.3 D40#3.3 D40#4.3 D56.3 D56#2.3 D56#3.3 D56#4.3 D72.3 D72#2.3 D72#3.3 D72#4.3 D88.3 D88#2.3 D88#3.3 D88#4.3 D104.3 D104#2.3 D104#3.3 D104#4.3 D120.3 D120#2.3 D120#3.3 D120#4.3 U2.12 U2#2.12 U2#3.12 U2#4.12
colg_8: D9.3 D9#2.3 D9#3.3 D9#4.3 D25.3 D25#2.3 D25#3.3 D25#4.3 D41.3 D41#2.3 D41#3.3 D41#4.3 D57.3 D57#2.3 D57#3.3 D57#4.3 D73.3 D73#2.3 D73#3.3 D73#4.3 D89.3 D89#2.3 D89#3.3 D89#4.3 D105.3 D105#2.3 D105#3.3 D105#4.3 U2.13 U2#2.13 U2#3.13 U2#4.13
colg_9: D10.3 D10#2.3 D10#3.3 D10#4.3 D26.3 D26#2.3 D26#3.3 D26#4.3 D42.3 D42#2.3 D42#3.3 D42#4.3 D58.3 D58#2.3 D58#3.3 D58#4.3 D74.3 D74#2.3 D74#3.3 D74#4.3 D90.3 D90#2.3 D90#3.3 D90#4.3 U2.14 U2#2.14 U2#3.14 U2#4.14
colg_10: D11.3 D11#2.3 D11#3.3 D11#4.3 D27.3 D27#2.3 D27#3.3 D27#4.3 D43.3 D43#2.3 D43#3.3 D43#4.3 D59.3 D59#2.3 D59#3.3 D59#4.3 D75.3 D75#2.3 D75#3.3 D75#4.3 U2.15 U2#2.15 U2#3.15 U2#4.15
colg_11: D12.3 D12#2.3 D12#3.3 D12#4.3 D28.3 D28#2.3 D28#3.3 D28#4.3 D44.3 D44#2.3 D44#3.3 D44#4.3 D60.3 D60#2.3 D60#3.3 D60#4.3 U2.16 U2#2.16 U2#3.16 U2#4.16
colg_12: D13.3 D13#2.3 D13#3.3 D13#4.3 D29.3 D29#2.3 D29#3.3 D29#4.3 D45.3 D45#2.3 D45#3.3 D45#4.3 U2.17 U2#2.17 U2#3.17 U2#4.17
colg_13: D14.3 D14#2.3 D14#3.3 D14#4.3 D30.3 D30#2.3 D30#3.3 D30#4.3 U2.18 U2#2.18 U2#3.18 U2#4.18
colg_14: D15.3 D15#2.3 D15#3.3 D15#4.3 U2.19 U2#2.19 U2#3.19 U2#4.19
colg_15: U2.20 U2#2.20 U2#3.20 U2#4.20
colr_0: D1.4 D1#2.4 D1#3.4 D1#4.4 D17.4 D17#2.4 D17#3.4 D17#4.4 D33.4 D33#2.4 D33#3.4 D33#4.4 D49.4 D49#2.4 D49#3.4 D49#4.4 D65.4 D65#2.4 D65#3.4 D65#4.4 D81.4 D81#2.4 D81#3.4 D81#4.4 D97.4 D97#2.4 D97#3.4 D97#4.4 D113.4 D113#2.4 D113#3.4 D113#4.4 D129.4 D129#2.4 D129#3.4 D129#4.4 D145.4 D145#2.4 D145#3.4 D145#4.4 D161.4 D161#2.4 D161#3.4 D161#4.4 D177.4 D177#2.4 D177#3.4 D177#4.4 D193.4 D193#2.4 D193#3.4 D193#4.4 D209.4 D209#2.4 D209#3.4 D209#4.4 D225.4 D225#2.4 D225#3.4 D225#4.4 U1.5 U1#2.5 U1#3.5 U1#4.5
